# Altium PCB PCB1.PcbDoc (part 1 of 3) (continued)
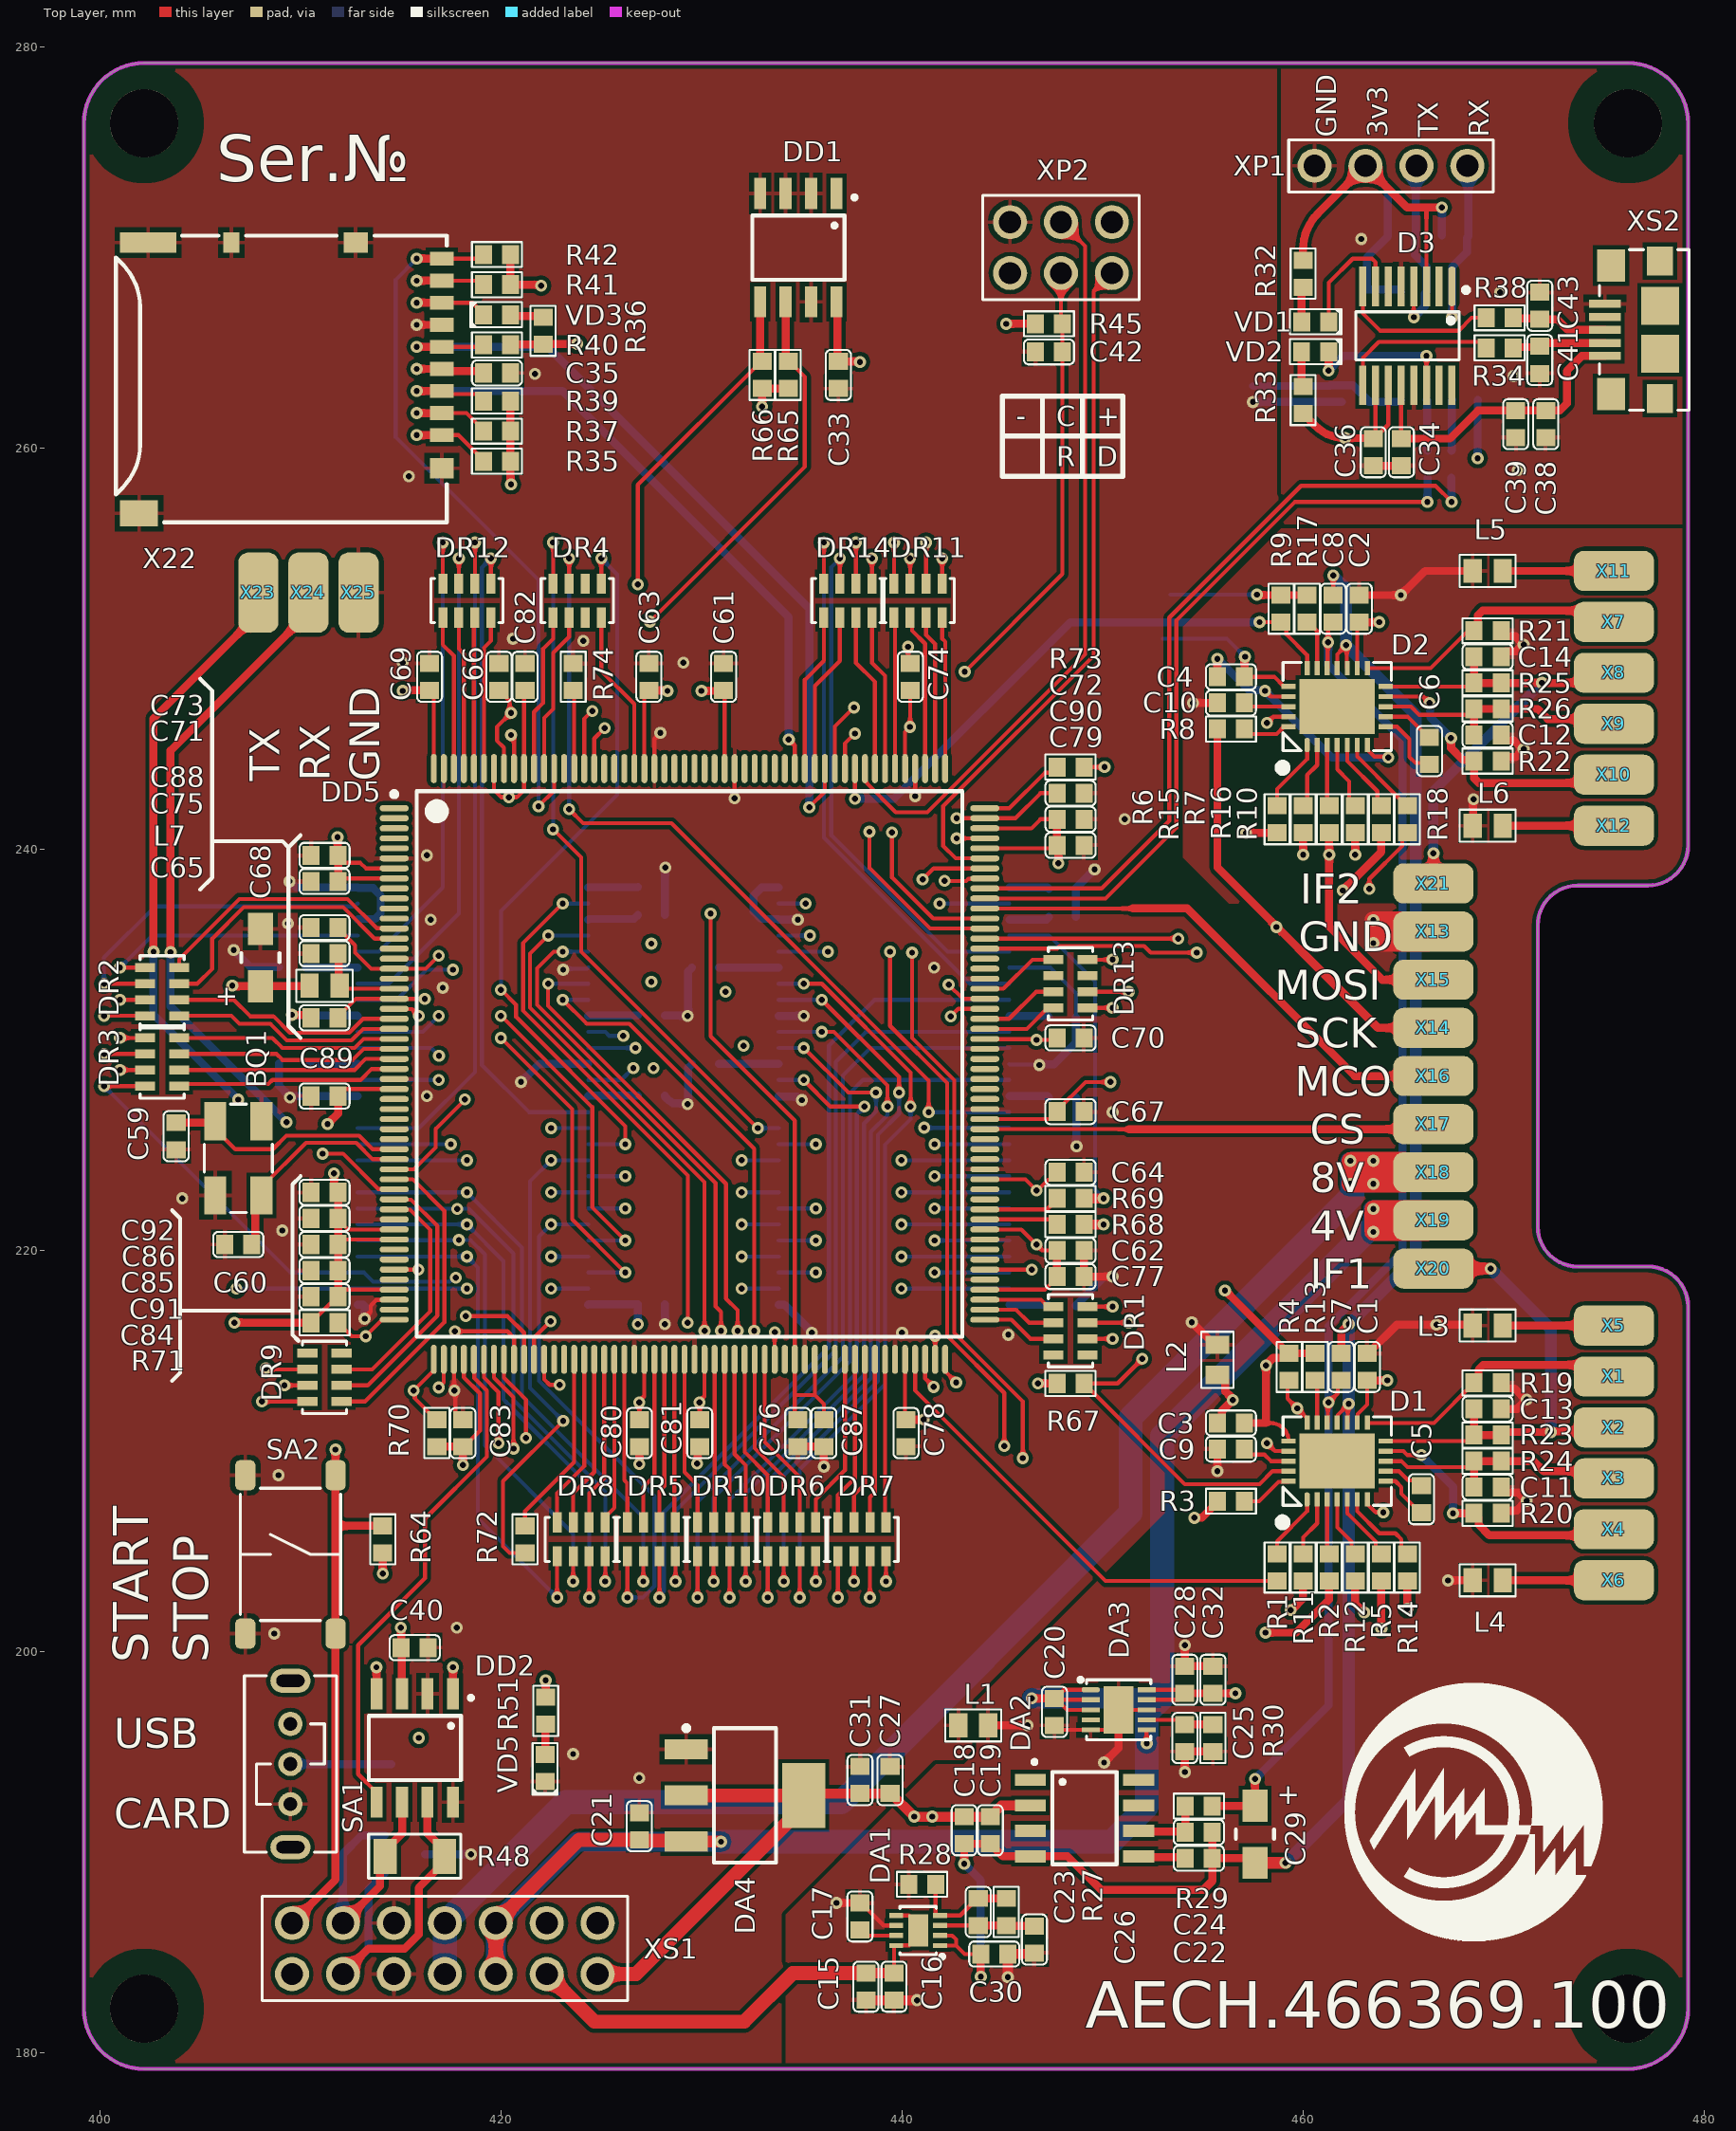
[diagram p0: Top Layer view]
## Board outline (continued)

## Design rules (kind name [scope] priority, off if disabled: settings)
Clearance Polygon [InPolygon] p1: gap=0.2 ignorepadtopadclearanceinfootprint=FALSE
Clearance AGND [InNet('AGND') vs InNet('GND') Or InNet('GND_EXT') Or InNet('3v3')] p2: gap=0.5 ignorepadtopadclearanceinfootprint=FALSE except(0: Arc-Hole Track-Hole SMDPad-Hole THPad-Hole Via-Hole Fill-Hole Poly-Hole Region-Hole Text-Hole)
Clearance GND_EXT [InNet('GND_EXT') vs InNet('GND') Or InNet('AGND') Or InNet('3v3')] p3: gap=1 ignorepadtopadclearanceinfootprint=FALSE except(0: Arc-Hole Track-Hole SMDPad-Hole THPad-Hole Via-Hole Fill-Hole Poly-Hole Region-Hole Text-Hole)
Clearance 3v3_ext [InNet('3v3_EXT') vs InNet('GND') Or InNet('AGND') or InNet('3v3')] p4: gap=1 ignorepadtopadclearanceinfootprint=FALSE except(0: Arc-Hole Track-Hole SMDPad-Hole THPad-Hole Via-Hole Fill-Hole Poly-Hole Region-Hole Text-Hole)
Clearance [All] p5: gap=0.15 ignorepadtopadclearanceinfootprint=FALSE except(0: Arc-Hole Track-Hole SMDPad-Hole THPad-Hole Via-Hole Fill-Hole Poly-Hole Region-Hole Text-Hole)
HoleSize [All] p1: absolutevalues=TRUE maxlimit=5 minlimit=0.025 maxpercent=80.000 minpercent=20.000
MatchedLengths MatchLengths_DD5_Passives_DD3,DD4 [InxSignalClass('xSignals_DD5_Passives_DD3,DD4_MatchLengthsClass')] p1: tolerance=2.54 checknetsindiffpair=FALSE checkdiffpairvsdiffpair=TRUE checkxsignals=TRUE checkothers=TRUE
MatchedLengths MatchLengths_xSignals_DD5_Passives [InxSignalClass('xSignals_DD5_Passives_MatchLengthsClass')] p2: tolerance=2.54 checknetsindiffpair=FALSE checkdiffpairvsdiffpair=TRUE checkxsignals=TRUE checkothers=TRUE
MatchedLengths MatchLengths_xSignals_DD5_DD3,DD4 [InxSignalClass('xSignals_DD5_DD3,DD4_MatchLengthsClass')] p3: tolerance=5 checknetsindiffpair=FALSE checkdiffpairvsdiffpair=TRUE checkxsignals=TRUE checkothers=TRUE
MinimumSolderMaskSliver [All] p1: minsoldermaskwidth=0
PolygonConnect PolygonToVia [IsVia] p1: connectstyle=Direct reliefconductorwidth=0.254 reliefentries=4 polygonreliefangle="90 Angle" airgapwidth=0.254
PolygonConnect [All] p2: connectstyle=Relief reliefconductorwidth=0.2 reliefentries=4 polygonreliefangle="90 Angle" airgapwidth=0.254
RoutingVias [All] p1: holewidth=0.3 width=0.6 viastyle="Through Hole" minholewidth=0.3 minwidth=0.6 maxholewidth=1 maxwidth=1.5
SilkToSilkClearance [All] p1: silktosilkclearance=0
SilkToSolderMaskClearance [IsPad] p1: minsilkscreentomaskgap=0 clearancetoexposedcopper=TRUE
SolderMaskExpansion [All] p1: expansion=0.102 istentingtop=FALSE
Width [All] p1: maxlimit=1.2 minlimit=0.2 preferedwidth=0.4
26 further rules are at their usual default settings.

## Classes and differential pairs
component class ADC: C1 C2 C3 C4 C5 C6 C7 C8 C9 C10 C11 C12 C13 C14 C15 C16 C17 C18 C19 C20 C21 C22 C23 C24 C25 C26 C27 C28 C29 C30 C31 C32 D1 D2 DA1 DA2 DA3 DA4 L1 L2 R1 R2 R3 R4 R5 R6 R7 R8 R9 R10 R11 R12 R13 R14 R15 R16 R17 R18 R19 R20 R21 R22 R23 R24 R25 R26 R27 R28 R29 R30
component class Connectors: L3 L4 L5 L6 R31 SA1 X1 X2 X3 X4 X5 X6 X7 X8 X9 X10 X11 X12 X13 X14 X15 X16 X17 X18 X19 X20 X21 X23 X24 X25 XP1 XS1
component class MCU_1: BQ1 C59 C60 DD5 R65 R66 R67 R68 R69 R70 R71 R72 R73
component class OTHER: C33 C34 C35 C36 C37 C38 C39 C40 C41 C42 C43 C44 D3 D4 DD1 DD2 R32 R33 R34 R35 R36 R37 R38 R39 R40 R41 R42 R43 R44 R45 R46 R48 R49 R51 R64 SA2 VD1 VD2 VD3 VD4 VD5 X22 XP2 XS2
component class SDRAM: C45 C46 C47 C48 C49 C50 C51 C52 C53 C54 C55 C56 C57 C58 DD3 DD4
component class MCU_Power: C61 C62 C63 C64 C65 C66 C67 C68 C69 C70 C71 C72 C73 C74 C75 C76 C77 C78 C79 C80 C81 C82 C83 C84 C85 C86 C87 C88 C89 C90 C91 C92 L7 R74

## Components (designator, comment, footprint, x,y, rotation, side; value= is the part's Value field where it differs from the comment)
BQ1 "8МГц" CRYSTAL_0532 406.9,224.6 r270 top
C1 "C" C0603 463.2,214.2 r90 top value="0,1 мк"
C2 "C" C0603 462.8,252 r90 top value="0,1 мк"
C3 "C" C0603 456.4,211.4 r180 top value="0,1 мк"
C4 "C" C0603 456.4,248.6 r180 top value="0,1 мк"
C5 "C" C0603 465.9,207.6 r90 top value="10 н"
C6 "C" C0603 466.3,244.9 r90 top value="10 н"
C7 "C" C0603 461.9,214.2 r90 top value="0,1 мк"
C8 "C" C0603 461.5,252 r90 top value="0,1 мк"
C9 "C" C0603 456.4,210.1 r180 top value="1 мк"
C10 "C" C0603 456.4,247.3 r180 top value="1 мк"
C11 "C" C0603 469.2,208.2 r0 top value="0,1 мк" (schematic designator *C11)
C12 "C" C0603 469.2,245.7 r0 top value="0,1 мк" (schematic designator *C12)
C13 "C" C0603 469.2,212.1 r0 top value="0,1 мк" (schematic designator *C13)
C14 "C" C0603 469.2,249.6 r0 top value="0,1 мк" (schematic designator *C14)
C15 "C" C0603 438.2,183.3 r270 top value="4,7 мк"
C16 "C" C0603 439.6,183.3 r270 top value="0,1 мк"
C17 "C" C0603 437.9,186.8 r90 top value="1 мк"
C18 "C" C0603 443.1,191.1 r270 top value="1 мк"
C19 "C" C0603 444.4,191.1 r270 top value="0,1 мк"
C20 "C" C0603 447.6,197 r270 top value="4,7 мк"
C21 "C" C0603 426.9,191.3 r90 top value="1 мк"
C22 "C" C0603 454.8,189.7 r0 top value="1 мк"
C23 "C" C0603 443.8,187.025 r270 top value="10 н"
C24 "C" C0603 454.8,191 r0 top value="1 мк"
C25 "C" C0603 454.1,195.7 r270 top value="0,47 мк"
C26 "C" C0603 446.6,185.65 r270 top value="1 мк"
C27 "C" C0603 439.4,193.6 r90 top value="0,1 мк"
C28 "C" C0603 454.1,198.6 r90 top value="0,1 мк"
C29 "C_el" "Case A" 457.6,190.9 r270 top value="10 мк"
C30 "C" C0603 444.6,184.925 r0 top value="4,7 мк"
C31 "C" C0603 437.9,193.6 r90 top value="1 мк"
C32 "C" C0603 455.5,198.6 r90 top value="4,7 мк"
C33 "C" C0603 436.825,263.65 r270 top value="0,1 мк"
C34 "C" C0603 464.9,259.8 r270 top value="0,1 мк"
C35 "C" C0603 419.8,263.75 r0 top value="0,22 мк"
C36 "C" C0603 463.5,259.8 r270 top value="0,1 мк"
C37 "C" C0603 462.5,267.9 r180 bottom value="0,1 мк"
C38 "C" C0603 472.1,261.2 r270 top value="4,7 мк"
C39 "C" C0603 470.6,261.2 r270 top value="0,1 мк"
C40 "C" C0603 415.7,200.2 r0 top value="0,1 мк"
C41 "C" C0603 471.8,264.4 r270 top value=47
C42 "C" C0603 447.325,264.8 r180 top value="0,1 мк"
C43 "C" C0603 471.8,267.1 r90 top value=47
C44 "C" C0603 462.6,262.3 r180 bottom value="0,1 мк"
C45 "C" C0603 448,238.025 r0 bottom value="0,1 мк"
C46 "C" C0603 448,227.625 r0 bottom value="0,1 мк"
C47 "C" C0603 448,217.225 r0 bottom value="0,1 мк"
C48 "C" C0603 448,236.625 r0 bottom value="0,1 мк"
C49 "C" C0603 448,231.625 r0 bottom value="0,1 мк"
C50 "C" C0603 430.2,229.3 r180 bottom value="0,1 мк"
C51 "C" C0603 430.2,234.1 r180 bottom value="0,1 мк"
C52 "C" C0603 427.5,238.125 r0 bottom value="0,1 мк"
C53 "C" C0603 427.5,227.725 r0 bottom value="0,1 мк"
C54 "C" C0603 427.5,217.325 r0 bottom value="0,1 мк"
C55 "C" C0603 427.5,236.725 r0 bottom value="0,1 мк"
C56 "C" C0603 427.5,231.725 r0 bottom value="0,1 мк"
C57 "C" C0603 409.6,229.325 r180 bottom value="0,1 мк"
C58 "C" C0603 409.6,234.125 r180 bottom value="0,1 мк"
C59 "C" C0603 403.8,225.7 r270 top value=12
C60 "C" C0603 406.9,220.3 r180 top value=12
C61 "C" C0603 431.1,248.6 r90 top value="0,1 мк"
C62 "C" C0603 448.4,220 r180 top value="4,7 мк"
C63 "C" C0603 427.373,248.6 r90 top value="0,1 мк"
C64 "C" C0603 448.4,223.9 r180 top value="0,1 мк"
C65 "C" C0603 411.2,231.6 r180 top value="4,7 мк"
C66 "C" C0603 419.9,248.6 r90 top value="0,1 мк"
C67 "C" C0603 448.4,226.923 r180 top value="0,1 мк"
C68 "C_el" "Case A" 408,234.6 r90 top value="10 мк"
C69 "C" C0603 416.437,248.6 r90 top value="0,1 мк"
C70 "C" C0603 448.4,230.6 r180 top value="0,1 мк"
C71 "C" C0603 411.2,238.4 r180 top value="0,1 мк"
C72 "C" C0603 448.4,242.8 r180 top value="0,1 мк"
C73 "C" C0603 411.2,239.7 r180 top value="0,1 мк"
C74 "C" C0603 440.412,248.6 r270 top value="0,1 мк"
C75 "C" C0603 411.2,234.8 r180 top value=220
C76 "C" C0603 434.8,210.9 r270 top value="2,2 мк"
C77 "C" C0603 448.4,218.7 r0 top value="0,1 мк"
C78 "C" C0603 440.2,210.9 r90 top value="0,1 мк"
C79 "C" C0603 448.4,240.2 r0 top value="2,2 мк"
C80 "C" C0603 426.9,210.9 r270 top value="0,1 мк"
C81 "C" C0603 429.91,210.9 r90 top value="0,1 мк"
C82 "C" C0603 421.2,248.6 r90 top value="2,2 мк"
C83 "C" C0603 418.1,210.9 r90 top value="0,1 мк"
C84 "C" C0603 411.2,217.7 r0 top value="0,1 мк"
C85 "C" C0603 411.2,220.3 r180 top value="0,1 мк"
C86 "C" C0603 411.2,221.6 r0 top value="0,1 мк"
C87 "C" C0603 436.1,210.9 r270 top value="4,7 мк"
C88 "C" C0603 411.2,236.1 r180 top value="0,1 мк"
C89 "C" C0603 411.2,227.7 r0 top value="0,1 мк"
C90 "C" C0603 448.4,241.5 r0 top value="4,7 мк"
C91 "C" C0603 411.2,219 r180 top value="1 мк"
C92 "C" C0603 411.2,222.9 r0 top value="1 мк"
D1 "ADS1283 VQFN-24" VQFN24_8X8X4X4 461.7,209.5 r90 top
D2 "ADS1283 VQFN-24" VQFN24_8X8X4X4 461.7,247.116 r90 top
D3 "FT230XS-U" SSOP-16 465.2,265.6 r270 top
D4 "ADUM1201 SOIC-8" SOIC8 466.8,265.1 r270 bottom
DA1 "ADP7183" LFCSP-8 440.8,186.1 r180 top
DA2 "REF5050" SOIC8 449.1,191.7 r0 top
DA3 "LT3042" "DFN-10 3X3" 450.8,197.1 r0 top
DA4 "ADP3338AKCZ-3.3RL7" SOT-223 432.164,192.834 r0 top
DD1 "AT24C08C" SOIC8 434.828,270 r270 top
DD2 "SN65HVD234D" SOIC8 415.7,195.2 r270 top
DD3 "IS42S16400J" TSOP-54 439.6,227.7 r180 bottom locked
DD4 "IS42S16400J" TSOP-54 418.6,227.7 r180 bottom locked
DD5 "STM32H745" LQFP208 429.4,229.3 r0 top locked
DR1 "33" CAT16 448.4,216 r0 top
DR2 "33" CAT16 403.1,232.9 r180 top
DR3 "33" CAT16 403.1,229.4 r0 top
DR4 "33" CAT16 423.8,252.4 r270 top
DR5 "33" CAT16 427.5,205.6 r90 top
DR6 "33" CAT16 434.5,205.6 r270 top
DR7 "33" CAT16 438,205.6 r270 top
DR8 "33" CAT16 424,205.6 r270 top
DR9 "33" CAT16 411.2,213.675 r180 top
DR10 "33" CAT16 431,205.6 r270 top
DR11 "33" CAT16 440.8,252.4 r270 top
DR12 "33" CAT16 418.3,252.4 r270 top
DR13 "33" CAT16 448.4,233.3 r0 top
DR14 "33" CAT16 437.3,252.4 r270 top
L1 "BLM18PG181SN1D" INDC_0603 443.55,196.325 r180 top
L2 "BLM18PG181SN1D" INDC_0603 455.725,214.55 r90 top
L3 "BLM18PG181SN1D" INDC_0603 469.2,216.26 r180 top
L4 "BLM18PG181SN1D" INDC_0603 469.2,203.56 r180 top
L5 "BLM18PG181SN1D" INDC_0603 469.2,253.88 r180 top
L6 "BLM18PG181SN1D" INDC_0603 469.2,241.18 r180 top
L7 "2,2 мк" INDC_0603 411.2,233.2 r180 top
R1 "R" R0603 458.7,204.2 r90 top value=47
R2 "R" R0603 461.3,204.2 r90 top value=47
R3 "R" R0603 456.4,207.5 r0 top value=47
R4 "R" R0603 459.3,214.2 r270 top value="10 к"
R5 "R" R0603 463.9,204.2 r90 top value=47
R6 "R" R0603 458.7,241.5 r90 top value=47
R7 "R" R0603 461.3,241.5 r90 top value=47
R8 "R" R0603 456.4,246 r0 top value=47
R9 "R" R0603 458.9,252 r270 top value="10 к"
R10 "R" R0603 463.9,241.5 r90 top value=47
R11 "R" R0603 460,204.2 r90 top value=47
R12 "R" R0603 462.6,204.2 r90 top value=47
R13 "R" R0603 460.6,214.2 r270 top value="10 к"
R14 "R" R0603 465.2,204.2 r90 top value=47
R15 "R" R0603 460,241.5 r90 top value=47
R16 "R" R0603 462.6,241.5 r90 top value=47
R17 "R" R0603 460.2,252 r270 top value="10 к"
R18 "R" R0603 465.2,241.5 r90 top value=47
R19 "R" R0603 469.2,213.4 r0 top value=0
R20 "R" R0603 469.2,206.9 r0 top value=0
R21 "R" R0603 469.2,250.9 r0 top value=0
R22 "R" R0603 469.2,244.4 r0 top value=0
R23 "R" R0603 469.2,210.8 r180 top value=47 (schematic designator *R23)
R24 "R" R0603 469.2,209.5 r180 top value=47 (schematic designator *R24)
R25 "R" R0603 469.2,248.3 r180 top value=47 (schematic designator *R25)
R26 "R" R0603 469.2,247 r180 top value=47 (schematic designator *R26)
R27 "R" R0603 445.2,187.025 r270 top value="100 к" (schematic designator *R27)
R28 "R" R0603 441,188.4 r180 top value="24,9 к" (schematic designator *R28)
R29 "R" R0603 454.8,192.3 r0 top value=100
R30 "R" R0603 455.5,195.7 r90 top value="24,9 к"
R31 "R" R0603 415.2,194.4 r180 bottom value="10 к"
R32 "R" R0603 460,268.7 r270 top value=270
R33 "R" R0603 460,262.4 r90 top value=270
R34 "R" R0603 469.8,265 r180 top value=27
R35 "R" R0603 419.8,259.35 r0 top value="10 к"
R36 "R" R0603 422.1,265.85 r270 top value=330
R37 "R" R0603 419.8,260.85 r0 top value="10 к"
R38 "R" R0603 469.8,266.5 r180 top value=27
R39 "R" R0603 419.8,262.35 r0 top value="10 к"
R40 "R" R0603 419.8,265.15 r0 top value="10 к"
R41 "R" R0603 419.8,268.15 r0 top value="10 к"
R42 "R" R0603 419.8,269.65 r0 top value="10 к"
R43 "R" R0603 467.6,270.6 r180 bottom value="10 к"
R44 "R" R0603 464.9,270.6 r180 bottom value="10 к"
R45 "R" R0603 447.325,266.2 r0 top value="10 к"
R46 "R" R0603 466.2,259.2 r270 bottom value=27
R48 "R" R1206 415.7,189.8 r180 top value=120
R49 "R" R0603 467.4,259.2 r270 bottom value=27
R51 "R" R0603 422.229,197.054 r90 top value=330
R64 "R" R0603 414.1,205.6 r90 top value="10 к"
R65 "R" R0603 434.325,263.65 r270 top value="2,2 к"
R66 "R" R0603 433.025,263.65 r270 top value="2,2 к"
R67 "R" R0603 448.4,213.375 r180 top value=47
R68 "R" R0603 448.4,221.3 r180 top value=33
R69 "R" R0603 448.4,222.6 r180 top value=33
R70 "R" R0603 416.8,210.9 r270 top value="2,2 к"
R71 "R" R0603 411.2,216.4 r180 top value="2,2 к"
R72 "R" R0603 421.2,205.6 r90 top value=33
R73 "R" R0603 448.4,244.1 r180 top value=33
R74 "R" R0603 423.6,248.6 r270 top value="10 к"
SA1 "Switch" KLS7-SS03-12D02 409.5,194.4 r270 top
SA2 "Button" KLS7_6X6 409.5,204.85 r90 top locked
VD1 "LED" LED_0603_YELLOW 460.6,266.3 r0 top
VD2 "LED" LED_0603_GREEN 460.596,264.808 r0 top
VD3 "LED" LED_0603_BLUE 419.8,266.65 r180 top
VD4 "NUP2105L" SOT-23 415.2,189.9 r270 bottom
VD5 "LED" LED_0603_RED 422.2,194.2 r270 top
X1 "1pin" "lam 4x2" 475.5,213.72 r270 top locked
X2 "1pin" "lam 4x2" 475.5,211.18 r270 top locked
X3 "1pin" "lam 4x2" 475.5,208.64 r270 top locked
X4 "1pin" "lam 4x2" 475.5,206.1 r270 top locked
X5 "1pin" "lam 4x2" 475.5,216.26 r270 top locked
X6 "1pin" "lam 4x2" 475.5,203.56 r270 top locked
X7 "1pin" "lam 4x2" 475.5,251.34 r270 top locked
X8 "1pin" "lam 4x2" 475.5,248.8 r270 top locked
X9 "1pin" "lam 4x2" 475.5,246.26 r270 top locked
X10 "1pin" "lam 4x2" 475.5,243.72 r270 top locked
X11 "1pin" "lam 4x2" 475.5,253.88 r270 top locked
X12 "1pin" "lam 4x2" 475.5,241.18 r270 top locked
X13 "1pin" "lam 4x2" 466.5,235.9 r90 top locked
X14 "1pin" "lam 4x2" 466.5,231.1 r90 top locked
X15 "1pin" "lam 4x2" 466.5,233.5 r90 top locked
X16 "1pin" "lam 4x2" 466.5,228.7 r90 top locked
X17 "1pin" "lam 4x2" 466.5,226.3 r90 top locked
X18 "1pin" "lam 4x2" 466.5,223.9 r90 top locked
X19 "1pin" "lam 4x2" 466.5,221.5 r90 top locked
X20 "1pin" "lam 4x2" 466.5,219.1 r90 top locked
X21 "1pin" "lam 4x2" 466.5,238.3 r90 top locked
X22 "micro SD" DM3AT-SF-PEJM5 409.5,263.5 r90 top
X23 "1pin" "lam 4x2" 407.9,252.8 r0 top
X24 "1pin" "lam 4x2" 410.4,252.8 r0 top
X25 "1pin" "lam 4x2" 412.9,252.8 r0 top
XP1 "4pin" PLS-4 464.38,274.075 r180 top
XP2 "PLD-6" PLD-6 447.925,270 r270 top
XS1 "14pin" PBD-14 417.2,185.2 r270 top locked
XS2 "USB" USB_MICRO_1981568-1 476.475,265.9 r90 top

## Footprints (in the part's own frame and the unit in brackets; to place one, negate y for a bottom-side part, rotate by r counter-clockwise, add the part's x,y. Pads: shape width x height; smd on the part's side, far side on the other; paste and mask are expansions set on the pad)
C0603 [mm]
  rect 0.85x0.95 smd: 1(-0.675,0) 2(0.675,0)
  silkscreen extent -1.25,-0.63 1.25,0.63, body extent -0.8,-0.4 0.8,0.4, height 0.9
"Case A" [mm]
  rect 1.6x1.25 smd: 1(-1.425,0) 2(1.425,0)
  silkscreen extent -0.23,-0.95 0.22,0.95, body extent -1.7,-0.9 1.7,0.9, height 1.8
CAT16 [mm] "Chip Array, Concave, 8-Leads, Pitch 0,80mm,  Body 3,20x1,55mm,  IPC Medium Density"
  rect 1x0.45 smd: 1(0.85,1.2) 2(0.85,0.4) 3(0.85,-0.4) 4(0.85,-1.2) 5(-0.85,-1.2) 6(-0.85,-0.4) 7(-0.85,0.4) 8(-0.85,1.2)
  silkscreen extent -1.1,-1.8 1.1,1.8, body extent -0.78,-1.6 0.78,1.6, height 0.49
CRYSTAL_0532 [mm]
  rect 1.9x1.1 smd: 1(-1.85,-1.15) 2(1.85,-1.15) 3(1.85,1.15) 4(-1.85,1.15)
  silkscreen extent -2.7,-1.7 2.7,1.7, body extent -2.5,-1.6 2.5,1.6, height 1
"DFN-10 3X3" [mm]
  rrect80% 0.9x0.25 smd: 1(-1.395,1)
  rect 0.9x0.25 smd: 2(-1.395,0.5) 3(-1.395,0) 4(-1.395,-0.5) 5(-1.395,-1) 6(1.395,-1) 7(1.395,-0.5) 8(1.395,0) 9(1.395,0.5) 10(1.395,1)
  rect 1.49x2.38 smd: 11(0,0)
  silkscreen extent -2,-1.5 1.6,1.6, body extent -1.5,-1.5 1.5,1.5, height 0.76
DM3AT-SF-PEJM5 [mm] "Micro SD"
  rect 0.7x1.2 smd: 1(-2.85,-7.55) 2(-1.75,-7.55) 3(-0.65,-7.55) 4(0.45,-7.55) 5(1.55,-7.55) 6(2.65,-7.55) 7(3.75,-7.55) 8(4.85,-7.55) 9(5.95,-7.55)
  rect 1x0.8 smd: 10(6.75,2.95)
  rect 1.3x1.9 smd: 11(-6.75,7.55)
  rect 1x1.2 smd: 11(-4.5,-7.55) 11(6.75,-3.25)
  rect 1x2.8 smd: 11(6.75,7.1)
  silkscreen extent -7.2,-7.8 7.1,8.7, body extent -7,-7.65 6.85,8.5, height 1.7
INDC_0603 [mm] "Chip Inductor, 2-Leads, Body 1,60x1,00mm, IPC Medium Density"
  rect 0.91x1.2 smd: 1(-0.75,0) 2(0.75,0)
  silkscreen extent -1.4,-0.8 1.4,0.8, body extent -0.9,-0.59 0.9,0.59, height 0.83
KLS7-SS03-12D02 [mm] "Slide Switch"
  oval 1.2x2 hole 0.6 slot 1.4 at 90 deg: 0(-4.15,0) 0(4.15,0)
  round 1.2 hole 0.7: 1(-2,0) 2(0,0) 3(2,0)
  silkscreen extent -4.4,-2.3 4.4,2.3, body extent -4.35,-2.25 4.35,2.25, height 7.33
KLS7_6X6 [mm] "SMD Button"
  rrect50% 1.5x1 smd mask+0.07: 1(-3.95,-2.25) 1(3.95,-2.25) 2(-3.95,2.25) 2(3.95,2.25)
  silkscreen extent -3.3,-2.5 3.3,2.5, body extent -4,-3 4,3, height 5
"lam 4x2" [mm]
  rrect50% 2x4 smd mask+0.07: 1(0,0)
LED_0603_BLUE [mm]
  rect 0.85x0.95 smd: 1(-0.675,0) 2(0.675,0)
  silkscreen extent -1.25,-0.63 1.33,0.63, body extent -0.8,-0.4 0.8,0.4, height 0.6
LED_0603_GREEN [mm]
  rect 0.85x0.95 smd: 1(-0.675,0) 2(0.675,0)
  silkscreen extent -1.25,-0.63 1.33,0.63, body extent -0.8,-0.4 0.8,0.4, height 0.6
LED_0603_RED [mm]
  rect 0.85x0.95 smd: 1(-0.675,0) 2(0.675,0)
  silkscreen extent -1.25,-0.63 1.33,0.63, body extent -0.8,-0.4 0.8,0.4, height 0.6
LED_0603_YELLOW [mm]
  rect 0.85x0.95 smd: 1(-0.675,0) 2(0.675,0)
  silkscreen extent -1.25,-0.63 1.33,0.63, body extent -0.8,-0.4 0.8,0.4, height 0.6
LFCSP-8 [mm]
  rect 0.7x0.25 smd: 1(-1.09,0.75) 2(-1.09,0.25) 3(-1.09,-0.25) 4(-1.09,-0.75) 5(1.09,-0.75) 6(1.09,-0.25) 7(1.09,0.25) 8(1.09,0.75)
  rect 1x1.6 smd: 9(0,0)
  silkscreen extent -1.3,-1.2 0.9,1.4, body extent -1.04,-1 1,1, height 0.55
LQFP208 [mm] "TSQFP, 208-Leads, Body 28.00x28.00mm, Pitch 0.50mm, IPC Medium Density"
  oval 1.45x0.3 smd: 1(-14.725,12.75) 2(-14.725,12.25) 3(-14.725,11.75) 4(-14.725,11.25) 5(-14.725,10.75) 6(-14.725,10.25) 7(-14.725,9.75) 8(-14.725,9.25) 9(-14.725,8.75) 10(-14.725,8.25) 11(-14.725,7.75) 12(-14.725,7.25) 13(-14.725,6.75) 14(-14.725,6.25) 15(-14.725,5.75) 16(-14.725,5.25) 17(-14.725,4.75) 18(-14.725,4.25) 19(-14.725,3.75) 20(-14.725,3.25) 21(-14.725,2.75) 22(-14.725,2.25) 23(-14.725,1.75) 24(-14.725,1.25) 25(-14.725,0.75) 26(-14.725,0.25) 27(-14.725,-0.25) 28(-14.725,-0.75) 29(-14.725,-1.25) 30(-14.725,-1.75) 31(-14.725,-2.25) 32(-14.725,-2.75) 33(-14.725,-3.25) 34(-14.725,-3.75) 35(-14.725,-4.25) 36(-14.725,-4.75) 37(-14.725,-5.25) 38(-14.725,-5.75) 39(-14.725,-6.25) 40(-14.725,-6.75) 41(-14.725,-7.25) 42(-14.725,-7.75) 43(-14.725,-8.25) 44(-14.725,-8.75) 45(-14.725,-9.25) 46(-14.725,-9.75) 47(-14.725,-10.25) 48(-14.725,-10.75) 49(-14.725,-11.25) 50(-14.725,-11.75) 51(-14.725,-12.25) 52(-14.725,-12.75) 105(14.725,-12.75) 106(14.725,-12.25) 107(14.725,-11.75) 108(14.725,-11.25) 109(14.725,-10.75) 110(14.725,-10.25) 111(14.725,-9.75) 112(14.725,-9.25) 113(14.725,-8.75) 114(14.725,-8.25) 115(14.725,-7.75) 116(14.725,-7.25) 117(14.725,-6.75) 118(14.725,-6.25) 119(14.725,-5.75) 120(14.725,-5.25) 121(14.725,-4.75) 122(14.725,-4.25) 123(14.725,-3.75) 124(14.725,-3.25) 125(14.725,-2.75) 126(14.725,-2.25) 127(14.725,-1.75) 128(14.725,-1.25) 129(14.725,-0.75) 130(14.725,-0.25) 131(14.725,0.25) 132(14.725,0.75) 133(14.725,1.25) 134(14.725,1.75) 135(14.725,2.25) 136(14.725,2.75) 137(14.725,3.25) 138(14.725,3.75) 139(14.725,4.25) 140(14.725,4.75) 141(14.725,5.25) 142(14.725,5.75) 143(14.725,6.25) 144(14.725,6.75) 145(14.725,7.25) 146(14.725,7.75) 147(14.725,8.25) 148(14.725,8.75) 149(14.725,9.25) 150(14.725,9.75) 151(14.725,10.25) 152(14.725,10.75) 153(14.725,11.25) 154(14.725,11.75) 155(14.725,12.25) 156(14.725,12.75)
  oval 0.3x1.45 smd: 53(-12.75,-14.725) 54(-12.25,-14.725) 55(-11.75,-14.725) 56(-11.25,-14.725) 57(-10.75,-14.725) 58(-10.25,-14.725) 59(-9.75,-14.725) 60(-9.25,-14.725) 61(-8.75,-14.725) 62(-8.25,-14.725) 63(-7.75,-14.725) 64(-7.25,-14.725) 65(-6.75,-14.725) 66(-6.25,-14.725) 67(-5.75,-14.725) 68(-5.25,-14.725) 69(-4.75,-14.725) 70(-4.25,-14.725) 71(-3.75,-14.725) 72(-3.25,-14.725) 73(-2.75,-14.725) 74(-2.25,-14.725) 75(-1.75,-14.725) 76(-1.25,-14.725) 77(-0.75,-14.725) 78(-0.25,-14.725) 79(0.25,-14.725) 80(0.75,-14.725) 81(1.25,-14.725) 82(1.75,-14.725) 83(2.25,-14.725) 84(2.75,-14.725) 85(3.25,-14.725) 86(3.75,-14.725) 87(4.25,-14.725) 88(4.75,-14.725) 89(5.25,-14.725) 90(5.75,-14.725) 91(6.25,-14.725) 92(6.75,-14.725) 93(7.25,-14.725) 94(7.75,-14.725) 95(8.25,-14.725) 96(8.75,-14.725) 97(9.25,-14.725) 98(9.75,-14.725) 99(10.25,-14.725) 100(10.75,-14.725) 101(11.25,-14.725) 102(11.75,-14.725) 103(12.25,-14.725) 104(12.75,-14.725) 157(12.75,14.725) 158(12.25,14.725) 159(11.75,14.725) 160(11.25,14.725) 161(10.75,14.725) 162(10.25,14.725) 163(9.75,14.725) 164(9.25,14.725) 165(8.75,14.725) 166(8.25,14.725) 167(7.75,14.725) 168(7.25,14.725) 169(6.75,14.725) 170(6.25,14.725) 171(5.75,14.725) 172(5.25,14.725) 173(4.75,14.725) 174(4.25,14.725) 175(3.75,14.725) 176(3.25,14.725) 177(2.75,14.725) 178(2.25,14.725) 179(1.75,14.725) 180(1.25,14.725) 181(0.75,14.725) 182(0.25,14.725) 183(-0.25,14.725) 184(-0.75,14.725) 185(-1.25,14.725) 186(-1.75,14.725) 187(-2.25,14.725) 188(-2.75,14.725) 189(-3.25,14.725) 190(-3.75,14.725) 191(-4.25,14.725) 192(-4.75,14.725) 193(-5.25,14.725) 194(-5.75,14.725) 195(-6.25,14.725) 196(-6.75,14.725) 197(-7.25,14.725) 198(-7.75,14.725) 199(-8.25,14.725) 200(-8.75,14.725) 201(-9.25,14.725) 202(-9.75,14.725) 203(-10.25,14.725) 204(-10.75,14.725) 205(-11.25,14.725) 206(-11.75,14.725) 207(-12.25,14.725) 208(-12.75,14.725)
  silkscreen extent -14.85,-13.6 13.6,13.6, body extent -14.75,-14.75 14.75,14.75, height 1.4
PBD-14 [mm]
  round 1.7 hole 1.1: 1(-1.27,7.62) 2(1.27,7.62) 3(-1.27,5.08) 4(1.27,5.08) 5(-1.27,2.54) 6(1.27,2.54) 7(-1.27,0) 8(1.27,0) 9(-1.27,-2.54) 10(1.27,-2.54) 11(-1.27,-5.08) 12(1.27,-5.08) 13(-1.27,-7.62) 14(1.27,-7.62)
  silkscreen extent -2.6,-9.11 2.6,9.11, body extent -2.48,-9.14 2.52,9.14, height 8.5
PLD-6 [mm]
  round 1.7 hole 1.1: 1(-1.27,2.54) 2(1.27,2.54) 3(-1.27,0) 4(1.27,0) 5(-1.27,-2.54) 6(1.27,-2.54)
  silkscreen extent -2.6,-3.9 2.6,3.9, body extent -2.56,-3.81 2.52,3.81, height 9.2
PLS-4 [mm]
  round 1.7 hole 1.1: 1(-3.81,0) 2(-1.27,0) 3(1.27,0) 4(3.81,0)
  silkscreen extent -5.1,-1.3 5.1,1.3, body extent -5.08,-1.27 5.08,1.27, height 9.2
R0603 [mm]
  rect 0.85x0.95 smd: 1(-0.675,0) 2(0.675,0)
  silkscreen extent -1.25,-0.63 1.25,0.63, body extent -0.8,-0.4 0.8,0.4, height 0.45
R1206 [mm]
  rect 1.15x1.75 smd: 1(-1.475,0) 2(1.475,0)
  silkscreen extent -2.3,-1.1 2.3,1.1, body extent -1.5,-0.77 1.51,0.78, height 0.55
SOIC8 [mm]
  rect 1.55x0.6 smd: 1(-2.7,1.905) 2(-2.7,0.635) 3(-2.7,-0.635) 4(-2.7,-1.905) 5(2.7,-1.905) 6(2.7,-0.635) 7(2.7,0.635) 8(2.7,1.905)
  Top Layer region: -2.7,1.905 -2.7,1.905 -2.7,1.905 -2.7,1.905
  silkscreen extent -2.6,-2.29 1.6,2.9, body extent -3,-2.45 3,2.45, height 1.75
SOT-23 [mm]
  rect 0.8x0.9 smd: 1(0.95,1) 2(-0.95,1) 3(0,-1)
  silkscreen extent -1.6,-0.7 1.6,0.8, body extent -1.46,-1.2 1.46,1.2, height 0.98
SOT-223 [mm]
  rect 2.15x1 smd: 1(-2.925,2.3) 2(-2.925,0) 3(-2.925,-2.3)
  rect 2.15x3.25 smd: 4(2.925,0)
  silkscreen extent -3.05,-3.35 1.55,3.47, body extent -3.5,-3.25 3.5,3.25, height 1.64
SSOP-16 [mil]
  rrect80% 77.56x13.97 smd paste+0 mask+0: 1(-97,87.5)
  rect 77.56x13.97 smd paste+0 mask+0: 2(-97,62.5) 3(-97,37.5) 4(-97,12.5) 5(-97,-12.5) 6(-97,-37.5) 7(-97,-62.5) 8(-97,-87.5) 9(97,-87.5) 10(97,-62.5) 11(97,-37.5) 12(97,-12.5) 13(97,12.5) 14(97,37.5) 15(97,62.5) 16(97,87.5)
  silkscreen extent -95,-102 47,120, body extent -122,-96 122,97, height 69
TSOP-54 [mm] "TSOP, 54-Leads, Body 22.22x10.16mm, Pitch 0.80mm, IPC Medium Density"
  oval 1.2x0.55 smd: 1(-5.75,10.4) 2(-5.75,9.6) 3(-5.75,8.8) 4(-5.75,8) 5(-5.75,7.2) 6(-5.75,6.4) 7(-5.75,5.6) 8(-5.75,4.8) 9(-5.75,4) 10(-5.75,3.2) 11(-5.75,2.4) 12(-5.75,1.6) 13(-5.75,0.8) 14(-5.75,0) 15(-5.75,-0.8) 16(-5.75,-1.6) 17(-5.75,-2.4) 18(-5.75,-3.2) 19(-5.75,-4) 20(-5.75,-4.8) 21(-5.75,-5.6) 22(-5.75,-6.4) 23(-5.75,-7.2) 24(-5.75,-8) 25(-5.75,-8.8) 26(-5.75,-9.6) 27(-5.75,-10.4) 28(5.75,-10.4) 29(5.75,-9.6) 30(5.75,-8.8) 31(5.75,-8) 32(5.75,-7.2) 33(5.75,-6.4) 34(5.75,-5.6) 35(5.75,-4.8) 36(5.75,-4) 37(5.75,-3.2) 38(5.75,-2.4) 39(5.75,-1.6) 40(5.75,-0.8) 41(5.75,0) 42(5.75,0.8) 43(5.75,1.6) 44(5.75,2.4) 45(5.75,3.2) 46(5.75,4) 47(5.75,4.8) 48(5.75,5.6) 49(5.75,6.4) 50(5.75,7.2) 51(5.75,8) 52(5.75,8.8) 53(5.75,9.6) 54(5.75,10.4)
  silkscreen extent -5.88,-11.2 4.75,11.35, body extent -5.88,-11.11 5.88,11.11, height 1.25
USB_MICRO_1981568-1 [mm] "1981568-1"
  rect 1.45x1.3 smd mask+0.07: 0(-3.425,-1.325) 0(3.425,-1.325)
  rect 1.6x1.4 smd mask+0.07: 0(-3.2,1.125) 0(3.2,1.125)
  rect 1.9x1.9 smd mask+0.07: 0(-1.2,-1.325) 0(1.2,-1.325)
  rect 0.4x1.6 smd mask+0.07: 1(-1.3,1.425) 2(-0.65,1.425) 3(0,1.425) 4(0.65,1.425) 5(1.3,1.425)
  silkscreen extent -4,-2.77 4,1.7, body extent -3.96,-4.04 3.96,1.63, height 2.74
VQFN24_8X8X4X4 [mm]
  rrect80% 0.708x0.255 smd paste+0 mask+0: 1(-1.916,1.5)
  rect 0.708x0.255 smd paste+0 mask+0: 2(-1.916,1) 3(-1.916,0.5) 4(-1.916,0) 5(-1.916,-0.5) 6(-1.916,-1) 7(-1.916,-1.5) 13(1.916,-1.5) 14(1.916,-1) 15(1.916,-0.5) 16(1.916,0) 17(1.916,0.5) 18(1.916,1) 19(1.916,1.5)
  rect 0.255x0.708 smd paste+0 mask+0: 8(-1,-2.424) 9(-0.5,-2.424) 10(0,-2.424) 11(0.5,-2.424) 12(1,-2.424) 20(1,2.424) 21(0.5,2.424) 22(0,2.424) 23(-0.5,2.424) 24(-1,2.424)
  rect 2.743x3.759 smd paste+0 mask+0: 25(0,0)
  silkscreen extent -3.25,-2.7 2.2,2.92, body extent -2.07,-2.58 2.07,2.58, height 0.99

## Part data
BQ1: library part OSC_4, Package=QSMD5.0x3.2x1.0, PartNumber="KX-9AT 8.0 MHZ"
C1 C2 C3 C4 C7 C8 C11 C12 C13 C14 C16 C19 C27 C28 C33 C34 C36 C37 C39 C40 C42 C44 C45 C46 C47 C48 C49 C50 C51 C52 C53 C54 C55 C56 C57 C58 C61 C63 C64 C66 C67 C69 C70 C71 C72 C73 C74 C77 C78 C80 C81 C83 C84 C85 C86 C88 C89: Case=0603, Dielectric=X7R, PartNumber=GRM188R71H104KA93D, Tolerance=±10%, Voltage="50 В"
C5 C6 C23: Case=0603, Dielectric=X7R, PartNumber=GRM188R72A103KA01J, Tolerance=±10%, Voltage=100В
C9 C10 C17 C18 C21 C22 C24 C26 C31 C91 C92: Case=0603, Dielectric=X7R, PartNumber=GRM188R71E105KA12D, Tolerance=±10%, Voltage="25 В"
C15 C20 C30 C32 C38 C62 C65 C87 C90: Case=0603, Dielectric=X7R, PartNumber=GRM188Z71C475KE21D, Tolerance=±10%, Voltage="16 В"
C25: Case=0603, Dielectric=X7R, PartNumber=GRM188R71E474KA12D, Tolerance=±10%, Voltage="25 В"
C29 C68: Case="\"A\"", PartNumber=TAJA106K016RNJ, Tolerance=±10%, Voltage="16 V"
C35: Case=0603, Dielectric=X7R, PartNumber=GRM188R71E224KA88D, Tolerance=±10%, Voltage="25 В"
C41 C43: Case=0603, Dielectric=NP0, PartNumber=GRM1885C1H470FA01D, Tolerance=±10%, Voltage="50 В"
C59 C60: Case=0603, Dielectric=NP0, PartNumber=GRM1885C1H120JA01J, Tolerance=±10%, Voltage="50 В"
C75: Case=0603, Dielectric=NP0, PartNumber=GCM1885C2A221JA16D, Tolerance=±5%, Voltage="100 В"
C76 C79 C82: Case=0603, Dielectric=X7R, PartNumber=GRM188R71A225KE15J, Tolerance=±10%, Voltage="10 В"
D1 D2: library part ADS1283, "ADC 2ch"
D4: library part ADUM1201
DA2: library part REF50xx
DA4: library part LD1117S33
DD1: library part AT24C0xC
DD2: "CAN"
DR1 DR2 DR3 DR4 DR5 DR6 DR7 DR8 DR9 DR10 DR11 DR12 DR13 DR14: library part CAT16
L1 L2 L3 L4 L5 L6: library part L_1
L7: library part L_1, PartNumber=MLZ1608A2R2WT000
R1 R2 R3 R5 R6 R7 R8 R10 R11 R12 R14 R15 R16 R18 R23 R24 R25 R26 R67: Case=0603, PartNumber=RC0603JR-0747RL, Power="0.1 Вт", Tolerance=±5%
R4 R9 R13 R17 R31 R35 R37 R39 R40 R41 R42 R43 R44 R45 R64 R74: Case=0603, PartNumber=RC0603JR-0710KL, Power="0.1 Вт", Tolerance=±5%
R19 R20 R21 R22: Case=0603, PartNumber=RC0603JR-070RL, Power="0.1 Вт", Tolerance=±5%
R27: Case=0603, PartNumber=RC0603FR-07100KL, Power="0.1 Вт", Tolerance=±1%
R28 R30: Case=0603, PartNumber=RC0603FR-0724K9L, Power="0.1 Вт", Tolerance=±1%
R29: Case=0603, PartNumber=RC0603JR-07100RL, Power="0.1 Вт", Tolerance=±5%
R32 R33: Case=0603, PartNumber=RC0603JR-07270RL, Power="0.1 Вт", Tolerance=±5%
R34 R38 R46 R49: Case=0603, PartNumber=RC0603JR-0727RL, Power="0.1 Вт", Tolerance=±5%
R36 R51: Case=0603, PartNumber=RC0603JR-07330RL, Power="0.1 Вт", Tolerance=±5%
R48: Case=1206, PartNumber=RC1206JR-13120RL, Power="0.25 Вт", Tolerance=±5%
R65 R66 R70 R71: Case=0603, PartNumber=RC0603JR-072K2L, Power="0.1 Вт", Tolerance=±5%
R68 R69 R72 R73: Case=0603, PartNumber=RC0603JR-0733RL, Power="0.1 Вт", Tolerance=±5%
SA1: PartNumber=KLS7-SS03-12D02-EG-3.0
X22: library part microSD
XP1: PartNumber=PLS-4
XP2: library part 6pin, PartNumber=PLD-6
XS1: PartNumber=PBD-14

## Free pads (board coordinates)
  round 3.4 hole 3.4: 1(402.2,182.2) 1(402.2,276.2) 1(476.2,182.2) 1(476.2,276.2)

## Via types
v1: diameter 0.6, hole 0.3, Top Layer to Bottom Layer, tented both sides, 380 vias

## Nets (pads, with @x,y where several pads share a name; then routed paths per layer and width w, separated by ;. In a path a pad name is that pad's centre, name@x,y a point inside that pad or via, vN(x,y) a via of type N, cw(c..) or ccw(c..) an arc to the next point about the centre after c; other vN are vias at no path point)
3v3: C3.1 C4.1 C18.1 C19.1 C27.1 C31.1 C33.1 C35.1 C40.1 C44.1 C45.1 C46.1 C47.1 C48.1 C49.1 C50.1 C51.1 C52.1 C53.1 C54.1 C55.1 C56.1 C57.1 C58.1 C61.1 C62.2 C63.1 C64.2 C65.1 C66.1 C67.2 C69.1 C70.2 C71.1 C72.2 C73.1 C74.2 C77.1 C78.2 C80.1 C81.2 C83.1 C84.2 C85.1 C86.2 C88.1 C89.2 C91.1 C92.2 D1.20 D2.20 D4.8 DA2.2 DA4.2 DA4.4 DD1.8 DD2.3 DD3.1 DD3.3 DD3.9 DD3.14 DD3.27 DD3.43 DD3.49 DD4.1 DD4.3 DD4.9 DD4.14 DD4.27 DD4.43 DD4.49 DD5.7 DD5.8 DD5.17 DD5.20 DD5.29 DD5.43 DD5.44 DD5.49 DD5.56 DD5.74 DD5.80 DD5.100 DD5.108 DD5.114 DD5.119 DD5.125 DD5.133 DD5.155 DD5.161 DD5.179 DD5.187 DD5.201 DD5.208 R4.1 R9.1 R13.1 R17.1 R31.1 R35.2 R36.2 R37.2 R39.2 R40.2 R41.2 R42.2 R45.1 R64.1 R65.2 R66.2 R70.2 R71.2 X22.4 XP2.1 XS1.2 | length 243.7
  Top Layer w0.2: R71.2@410.525,216.4 C84.2@411.79,217.665 ; C84.2@411.79,217.665 cw(c411.875,217.579) C84.2@411.875,217.7 ; C84.2@411.875,217.725 412.2,218.05 DD5.49@414.675,218.05 ; C85.1@411.875,220.3 412.125,220.55 DD5.44@414.675,220.55 ; C86.2@411.875,221.6 411.875,221.55 412.375,221.05 DD5.43@414.675,221.05 ; C89.2@411.875,228 411.925,228.05 DD5.29@414.675,228.05 ; C65.1@411.875,231.6 411.875,231.65 412.775,232.55 DD5.20@414.675,232.55 v1(416.2,232.55) ; C88.1@411.875,236.1 411.875,236.05 412.2,235.725 412.217,235.725 412.725,235.217 412.725,234.85 413.525,234.05 DD5.17@414.675,234.05 416.25,234.05 v1(416.9,234.7) ; C71.1@411.875,238.4 412.025,238.55 DD5.8@414.675,238.55 ; C73.1@411.875,239.65 412.2,239.325 412.989,239.325 413.264,239.05 DD5.7@414.675,239.05 ; C69.1@416.437,247.925 416.65,247.712 DD5.208@416.65,244.025 ; C83.1@418.1,210.225 418.15,210.225 418.95,211.025 418.95,212.875 418.15,213.675 DD5.56@418.15,214.575 ; C66.1@419.8,247.825 C66.1@419.9,247.925 419.95,247.925 420.275,247.6 420.275,247.55 420.425,247.4 420.425,246.875 v1(420.5,246.8) 419.8,246.1 419.8,245.425 420.15,245.075 DD5.201@420.15,244.025 ; v1(426.89,212.425) 426.89,212.482 427.15,212.742 DD5.74@427.15,214.575 ; C80.1@426.9,211.575 v1@426.9,212.425 ; DD5.187@427.15,244.025 427.15,247.702 C63.1@427.373,247.925 ; C81.2@429.91,211.575 429.91,212.315 429.9,212.325 v1(429.9,212.425) 429.9,212.492 430.15,212.742 DD5.80@430.15,214.575 ; C61.1@431.1,247.925 431.15,247.875 DD5.179@431.15,244.025 ; DD5.100@440.15,214.575 440.15,211.625 C78.2@440.2,211.575 ; DD5.161@440.15,244.025 440.15,245.85 v1(440.4,246.1) 440.4,247.913 C74.2@440.412,247.925 ; v1(442.725,241.55) DD5.155@444.125,241.55 445.65,241.55 446.9,242.8 C72.2@447.725,242.8 ; DD5.108@444.125,218.05 447.125,218.05 447.725,218.65 C77.1@447.725,218.7 ; DD5.114@444.125,221.05 445.95,221.05 v1(446.7,220.3) ; DD5.119@444.125,223.55 446.15,223.55 v1(446.7,223) 446.758,223 447.283,223.525 447.4,223.525 447.725,223.85 C64.2@447.725,223.9 ; DD5.125@444.125,226.55 447.575,226.55 C67.2@447.725,226.7 ; DD5.133@444.125,230.55 444.144,230.531 446.669,230.531 v1(446.7,230.5) 447.625,230.5 C70.2@447.725,230.6 ; v1@446.7,220.2 446.802,220.2 447.002,220 C62.2@447.725,220 ; C67.2@447.725,226.923 447.725,226.973 449.152,228.4 v1(450.4,228.4) ; C4.1@457.075,248.6 458.565,248.6 459.049,248.116 D2.20@459.276,248.116 ; 458.15,211.4 458.376,211.4 cw(c458.376,210.5) D1.20@459.276,210.5
  Top Layer w0.4: v1(406.7,216.4) R71.2@410.525,216.4 ; v1(411.35,226.3) 411.875,226.825 C89.2@411.875,227.7 ; v1(411.675,223.85) 411.675,223.1 C92.2@411.875,222.9 C86.2@411.875,221.6 ; v1(411.85,240.6) 411.85,239.725 C73.1@411.875,239.7 ; C84.2@411.875,217.7 411.875,217.725 C91.1@411.875,219 C85.1@411.875,220.3 C86.2@411.875,221.55 ; C71.1@411.875,238.4 C73.1@411.875,239.65 ; v1(414.1,203.9) R64.1@414.1,204.925 ; v1(415,201.2) 415.025,201.175 C40.1@415.025,200.2 415.045,200.18 415.045,197.92 DD2.3@415.065,197.9 ; v1(415.1,247.9) 415.125,247.925 C69.1@416.437,247.925 ; v1(415.8,263.95) X22.4@417.05,263.95 417.15,263.85 419.025,263.85 C35.1@419.125,263.75 ; R70.2@416.8,210.225 C83.1@418.1,210.225 v1(418.1,209.3) ; R39.2@420.475,262.35 R37.2@420.475,260.85 R35.2@420.475,259.35 420.475,258.225 v1(420.5,258.2) ; R40.2@420.475,265.15 420.487,265.163 422.087,265.163 R36.2@422.1,265.175 422.125,265.2 v1(423.8,265.2) ; R42.2@420.475,269.65 R41.2@420.475,268.15 421.95,268.15 v1(422,268.1) ; C63.1@427.373,247.925 428.275,247.925 v1(428.3,247.9) ; v1(430,247.9) 431.075,247.9 C61.1@431.1,247.925 ; v1(433.025,262.075) R66.2@433.025,262.975 R65.2@434.325,262.975 ; DD1.8@436.733,267.3 436.779,267.254 436.779,264.371 C33.1@436.825,264.325 437.875,264.325 v1(437.9,264.3) ; C78.2@440.2,211.575 v1(441.075,211.575) ; v1(445.2,266.2) R45.1@446.65,266.2 ; C77.1@447.725,218.7 C62.2@447.725,220 ; v1(456.1,218) 456.125,218 459.25,214.875 R4.1@459.3,214.875 ; C3.1@457.075,211.4 458.15,211.4 v1(458.15,214.275) 458.15,214.3 458.5,214.65 459.075,214.65 R4.1@459.3,214.875 ; C4.1@457.075,248.6 457.075,249.575 v1(457.1,249.6) ; v1(457.7,252.7) 457.725,252.675 R9.1@458.9,252.675 R17.1@460.2,252.675 ; R13.1@460.6,214.875 R4.1@459.3,214.875
  Top Layer w0.5: DA4.4@435.089,192.834 435.18,192.925 C31.1@437.9,192.925 C27.1@439.4,192.925 439.45,192.925 v1(440.6,191.775) C18.1@443.1,191.775 C19.1@444.4,191.775 444.45,191.775 444.625,191.95 444.625,192 444.96,192.335 DA2.2@446.4,192.335
  Top Layer w0.7: XS1.2@424.82,183.93 426.735,183.93 435.089,192.284 DA4.4@435.089,192.834 DA4.2@429.239,192.834
  Bottom Layer w0.2: 453,250.5 456.2,250.5 v1(457.1,249.6) ; 453.4,252.7 v1(457.7,252.7)
  Bottom Layer w0.4: C57.1@410.275,229.325 410.288,229.312 412.838,229.312 DD4.43@412.85,229.3 ; C58.1@410.275,234.125 410.288,234.112 412.838,234.112 DD4.49@412.85,234.1 ; DD4.27@424.35,217.3 424.363,217.312 426.813,217.312 C54.1@426.825,217.325 v1(426.825,216.325) ; DD4.14@424.35,227.7 424.363,227.712 426.813,227.712 C53.1@426.825,227.725 ; DD4.9@424.35,231.7 424.363,231.712 426.813,231.712 C56.1@426.825,231.725 ; DD4.3@424.35,236.5 424.379,236.529 426.629,236.529 C55.1@426.825,236.725 ; DD4.1@424.35,238.1 424.363,238.112 426.813,238.112 C52.1@426.825,238.125 ; C50.1@430.875,229.3 DD3.43@433.85,229.3 ; C51.1@430.875,234.1 DD3.49@433.85,234.1 ; DD3.27@445.35,217.3 447.25,217.3 C47.1@447.325,217.225 ; DD3.14@445.35,227.7 447.25,227.7 C46.1@447.325,227.625 ; DD3.9@445.35,231.7 447.25,231.7 C49.1@447.325,231.625 ; DD3.3@445.35,236.5 447.2,236.5 C48.1@447.325,236.625 ; DD3.1@445.35,238.1 447.25,238.1 C45.1@447.325,238.025 ; 457.5,263.1 461.33,263.1 461.355,263.125 462.5,263.125 463.275,262.35 C44.1@463.275,262.3 464.795,262.3 D4.8@464.895,262.4
  other v1: 441.5,191.775 415.9,195.7 427.6,229.1 432.1,230.2 431.2,232.9 427.5,233.4 427.5,235.3
3v3_EXT: C36.1 C37.1 D3.3 D3.10 D3.11 D4.1 R32.1 R33.1 R43.2 R44.2 XP1.3 | length 34.4
  Top Layer w0.2: D3.10@463.612,263.136 463.612,260.588 C36.1@463.5,260.475 463.55,260.475 464.247,261.173 D3.11@464.247,263.136 ; D3.3@466.152,268.064 466.152,272
  Top Layer w0.4: R33.1@460,261.725 460.606,261.119 ccw(c462.1,262.612) v1(462.1,260.5) 463.44,260.5 cw(c463.44,260.415) C36.1@463.5,260.475 ; R32.1@460,269.375 460,269.913 cw(c462.54,269.913) 460.744,271.709 XP1.3@463.11,274.075 465.185,272 466.152,272 v1(466.925,272)
  Bottom Layer w0.4: XP1.3@463.11,274.075 464.225,272.96 R44.2@464.225,270.6 464.225,270.55 463.175,269.5 C37.1@463.175,267.9 464.795,267.9 D4.1@464.895,267.8 ; R43.2@466.925,270.6 v1(466.925,272)